# KiCad board panelized.kicad_pro.kicad_pcb
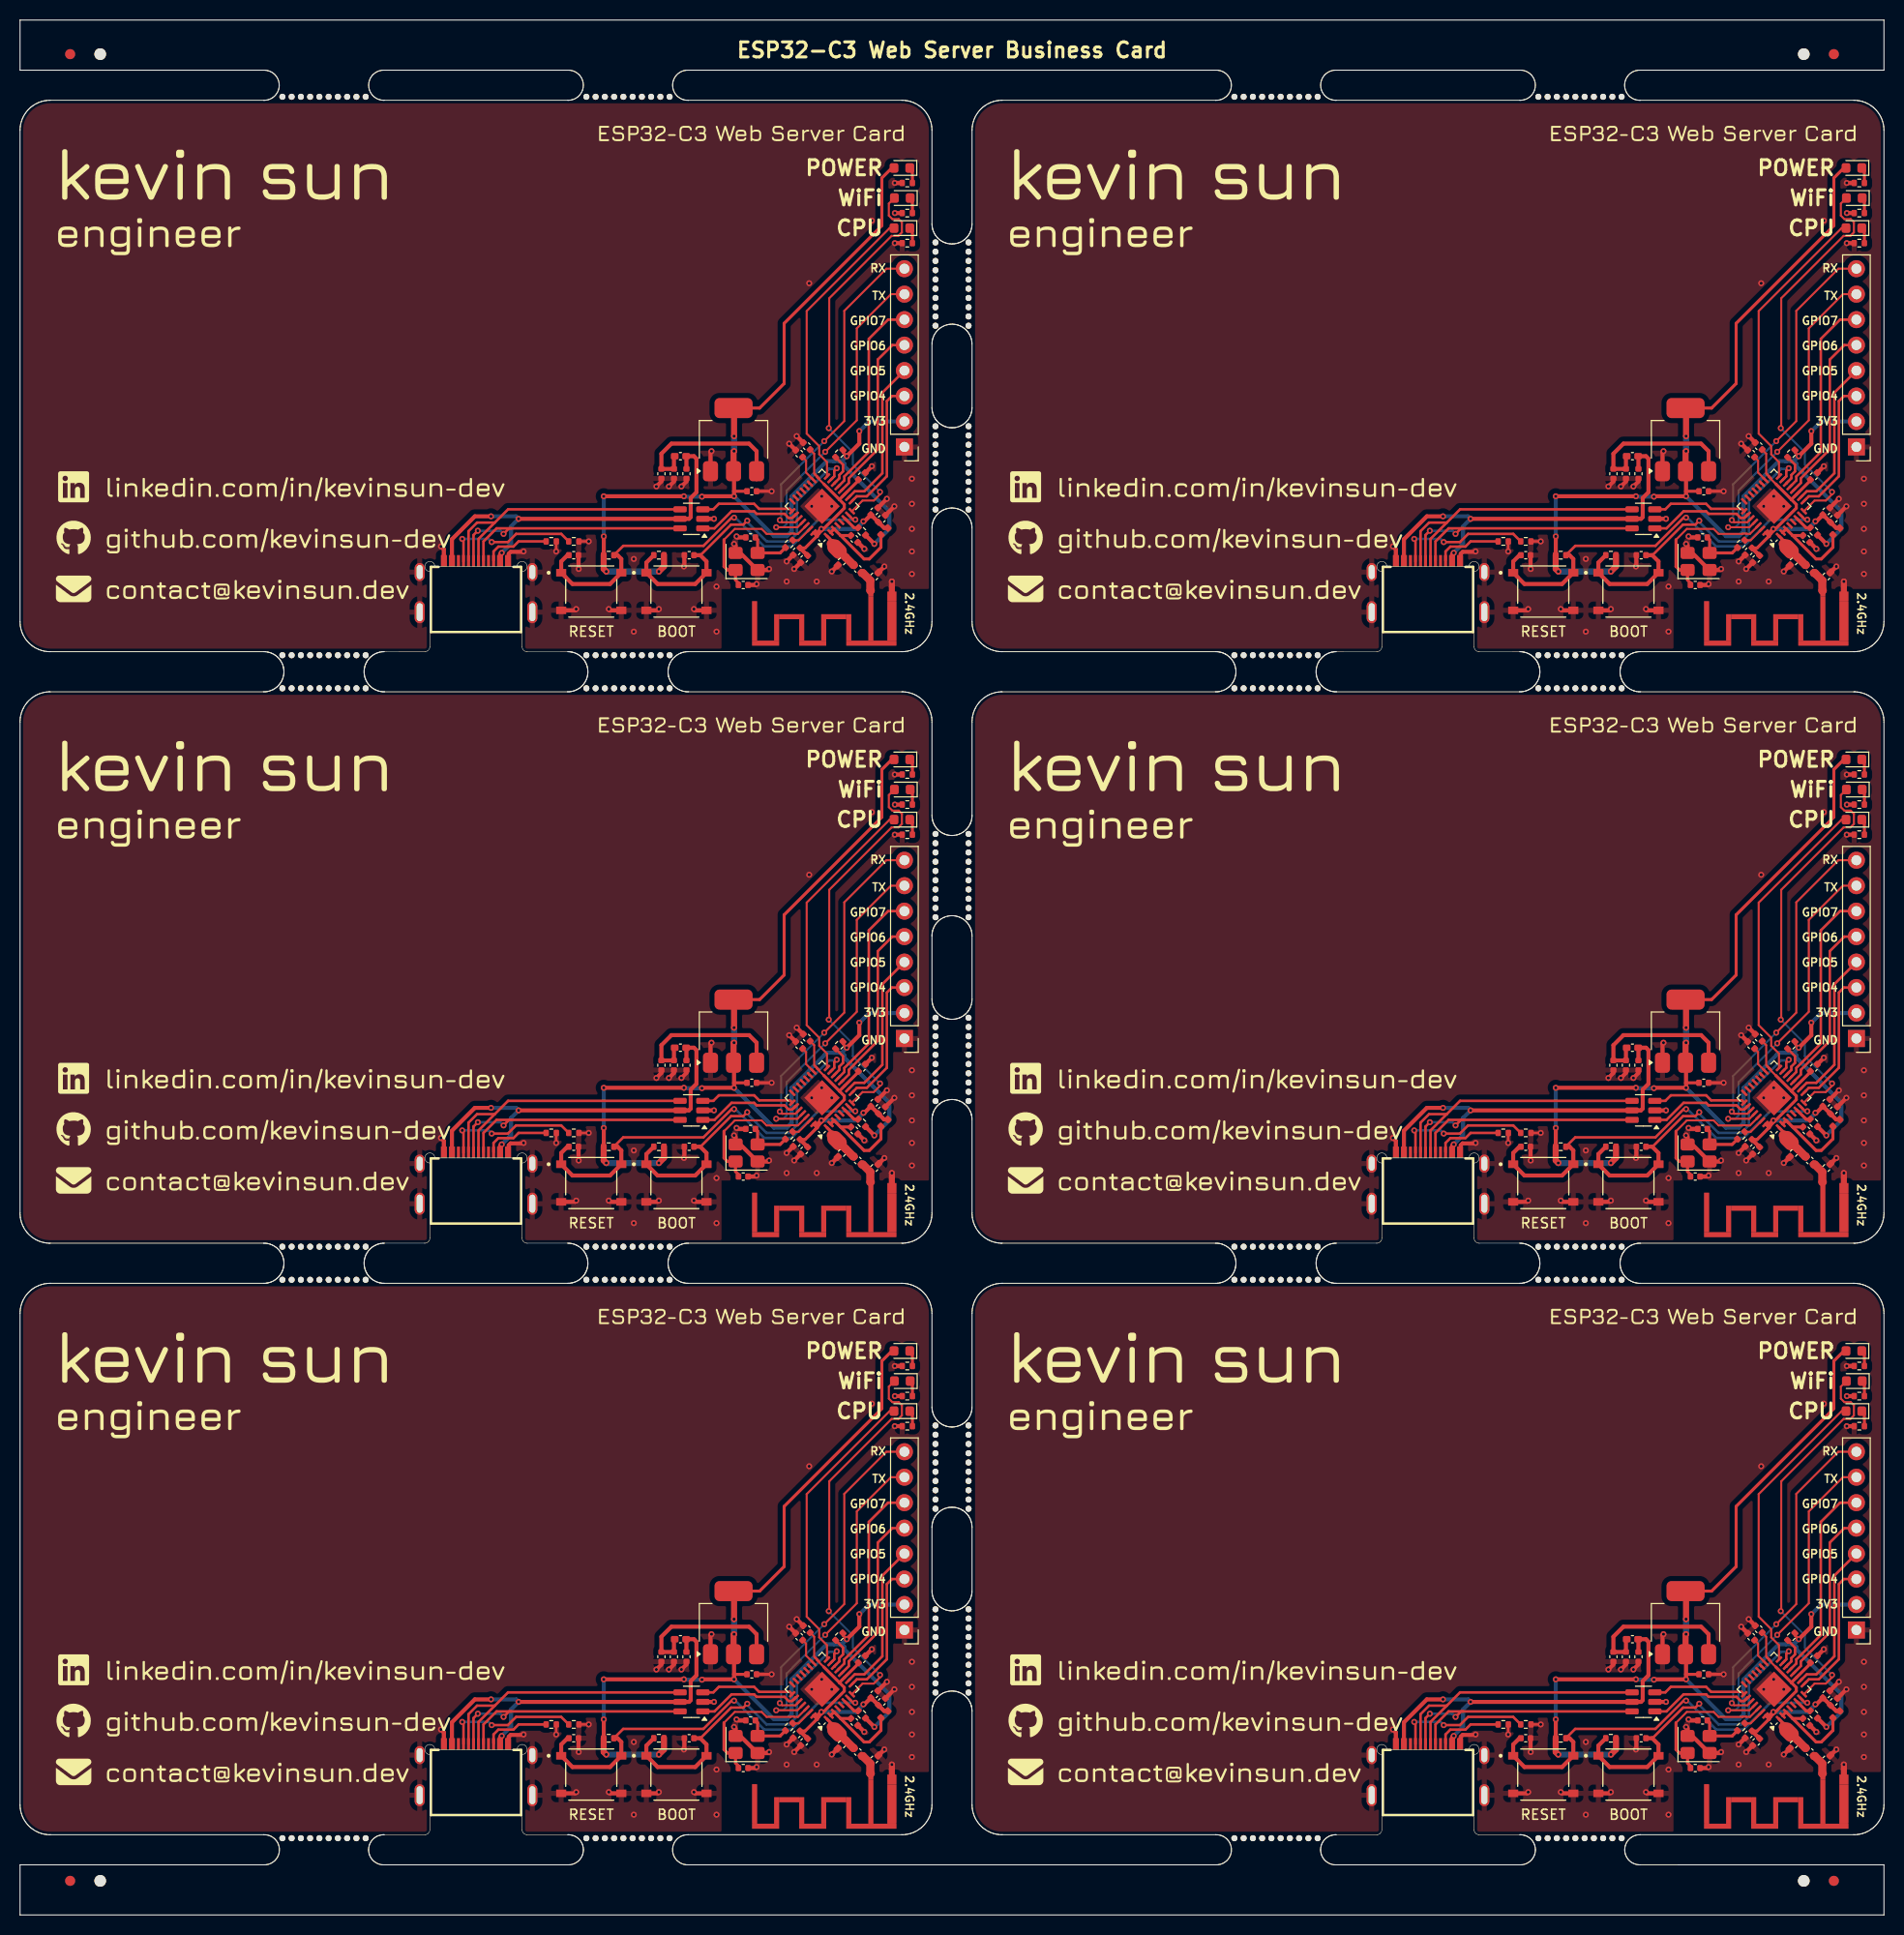
[diagram p0: board, top side]
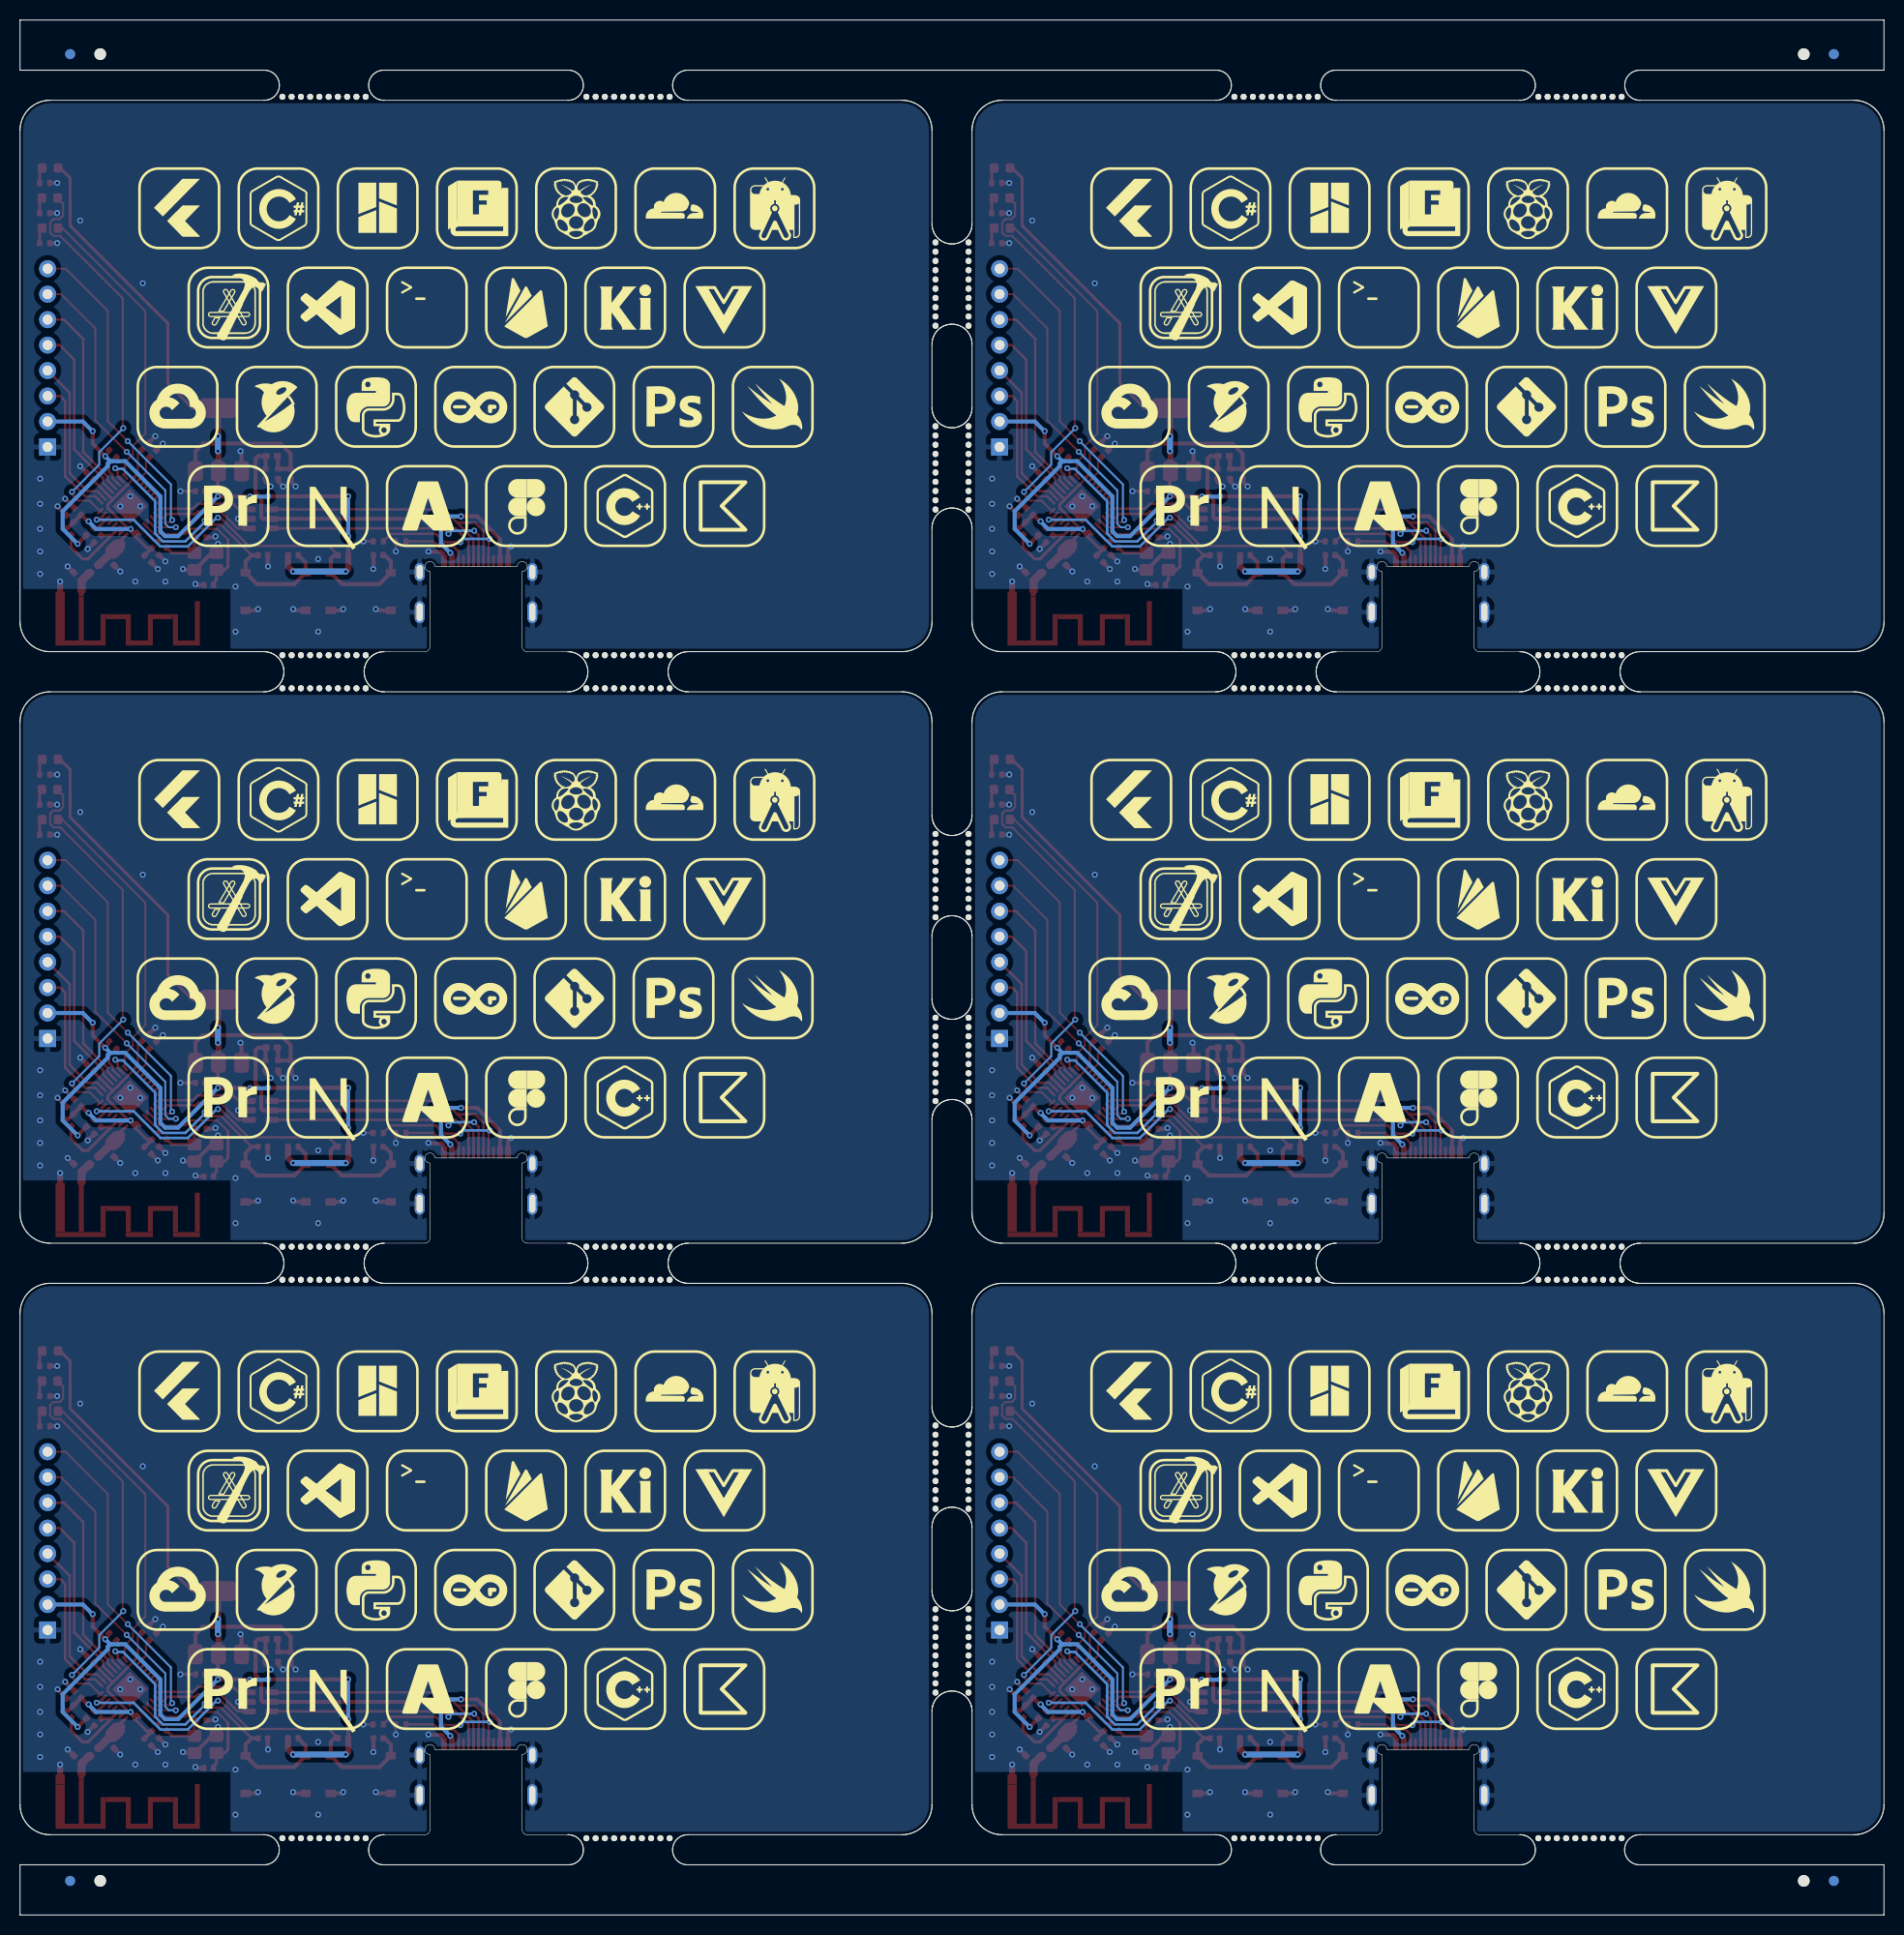
[diagram p1: board, bottom side, seen from below]

Outline 186 x 189 mm; copper layers: Top, Bottom. Coordinates in mm from the lower left corner of the outline.
Stack: Top 0.035mm / dielectric 0.8mm FR4 er 4.5 / Bottom 0.035mm

## Placement (name value [footprint] x y rotation side)
2.4GHz  PCB Antenna  [pcb-antenna]  87 72.75 180 top
2.4GHz#2  PCB Antenna  [pcb-antenna]  182 72.75 180 top
2.4GHz#3  PCB Antenna  [pcb-antenna]  182 131.75 180 top
2.4GHz#4  PCB Antenna  [pcb-antenna]  87 131.75 180 top
2.4GHz#5  PCB Antenna  [pcb-antenna]  87 13.75 180 top
2.4GHz#6  PCB Antenna  [pcb-antenna]  182 13.75 180 top
BOOT  BOOT  [SW_TS-1187A-B-A-B]  65.5 132 0 top
BOOT#2  BOOT  [SW_TS-1187A-B-A-B]  65.5 14 0 top
BOOT#3  BOOT  [SW_TS-1187A-B-A-B]  65.5 73 0 top
BOOT#4  BOOT  [SW_TS-1187A-B-A-B]  160.5 132 0 top
BOOT#5  BOOT  [SW_TS-1187A-B-A-B]  160.5 73 0 top
BOOT#6  BOOT  [SW_TS-1187A-B-A-B]  160.5 14 0 top
C1  100nF  [C_0402_1005Metric]  83.25 137.25 315 top
C1#2  100nF  [C_0402_1005Metric]  178.25 137.25 315 top
C1#3  100nF  [C_0402_1005Metric]  83.25 19.25 315 top
C1#4  100nF  [C_0402_1005Metric]  83.25 78.25 315 top
C1#5  100nF  [C_0402_1005Metric]  178.25 78.25 315 top
C1#6  100nF  [C_0402_1005Metric]  178.25 19.25 315 top
C2  100nF  [C_0402_1005Metric]  181 80.25 45 top
C2#2  100nF  [C_0402_1005Metric]  181 21.25 45 top
C2#3  100nF  [C_0402_1005Metric]  181 139.25 45 top
C2#4  100nF  [C_0402_1005Metric]  86 21.25 45 top
C2#5  100nF  [C_0402_1005Metric]  86 139.25 45 top
C2#6  100nF  [C_0402_1005Metric]  86 80.25 45 top
C3  10uF  [C_0402_1005Metric]  180.25 81 45 top
C3#2  10uF  [C_0402_1005Metric]  180.25 140 45 top
C3#3  10uF  [C_0402_1005Metric]  85.25 22 45 top
C3#4  10uF  [C_0402_1005Metric]  85.25 140 45 top
C3#5  10uF  [C_0402_1005Metric]  85.25 81 45 top
C3#6  10uF  [C_0402_1005Metric]  180.25 22 45 top
C4  1uF  [C_0402_1005Metric]  172.75 86.75 135 top
C4#2  1uF  [C_0402_1005Metric]  172.75 145.75 135 top
C4#3  1uF  [C_0402_1005Metric]  172.75 27.75 135 top
C4#4  1uF  [C_0402_1005Metric]  77.75 27.75 135 top
C4#5  1uF  [C_0402_1005Metric]  77.75 86.75 135 top
C4#6  1uF  [C_0402_1005Metric]  77.75 145.75 135 top
C5  100nF  [C_0402_1005Metric]  84 25.5 45 top
C5#2  100nF  [C_0402_1005Metric]  179 143.5 45 top
C5#3  100nF  [C_0402_1005Metric]  179 25.5 45 top
C5#4  100nF  [C_0402_1005Metric]  84 84.5 45 top
C5#5  100nF  [C_0402_1005Metric]  179 84.5 45 top
C5#6  100nF  [C_0402_1005Metric]  84 143.5 45 top
C6  100nF  [C_0402_1005Metric]  78.5 28.5 135 top
C6#2  100nF  [C_0402_1005Metric]  173.5 28.5 135 top
C6#3  100nF  [C_0402_1005Metric]  78.5 87.5 135 top
C6#4  100nF  [C_0402_1005Metric]  78.5 146.5 135 top
C6#5  100nF  [C_0402_1005Metric]  173.5 146.5 135 top
C6#6  100nF  [C_0402_1005Metric]  173.5 87.5 135 top
C7  1uF  [C_0402_1005Metric]  77.5 136 225 top
C7#2  1uF  [C_0402_1005Metric]  77.5 18 225 top
C7#3  1uF  [C_0402_1005Metric]  172.5 136 225 top
C7#4  1uF  [C_0402_1005Metric]  172.5 18 225 top
C7#5  1uF  [C_0402_1005Metric]  77.5 77 225 top
C7#6  1uF  [C_0402_1005Metric]  172.5 77 225 top
C8  10nF  [C_0402_1005Metric]  78.25 17.25 225 top
C8#2  10nF  [C_0402_1005Metric]  173.25 135.25 225 top
C8#3  10nF  [C_0402_1005Metric]  78.25 76.25 225 top
C8#4  10nF  [C_0402_1005Metric]  173.25 76.25 225 top
C8#5  10nF  [C_0402_1005Metric]  173.25 17.25 225 top
C8#6  10nF  [C_0402_1005Metric]  78.25 135.25 225 top
C9  12p  [C_0402_1005Metric]  167.17 14.65 0 top
C9#2  12p  [C_0402_1005Metric]  167.17 73.65 0 top
C9#3  12p  [C_0402_1005Metric]  72.17 132.65 0 top
C9#4  12p  [C_0402_1005Metric]  72.17 73.65 0 top
C9#5  12p  [C_0402_1005Metric]  72.17 14.65 0 top
C9#6  12p  [C_0402_1005Metric]  167.17 132.65 0 top
C10  12p  [C_0402_1005Metric]  72.9 137.4 180 top
C10#2  12p  [C_0402_1005Metric]  167.9 78.4 180 top
C10#3  12p  [C_0402_1005Metric]  167.9 137.4 180 top
C10#4  12p  [C_0402_1005Metric]  72.9 19.4 180 top
C10#5  12p  [C_0402_1005Metric]  167.9 19.4 180 top
C10#6  12p  [C_0402_1005Metric]  72.9 78.4 180 top
C11  1.5pF  [C_0402_1005Metric_Pad0.74x0.62mm_HandSolder]  85.25 15.5 45 top
C11#2  1.5pF  [C_0402_1005Metric_Pad0.74x0.62mm_HandSolder]  180.25 15.5 45 top
C11#3  1.5pF  [C_0402_1005Metric_Pad0.74x0.62mm_HandSolder]  85.25 133.5 45 top
C11#4  1.5pF  [C_0402_1005Metric_Pad0.74x0.62mm_HandSolder]  85.25 74.5 45 top
C11#5  1.5pF  [C_0402_1005Metric_Pad0.74x0.62mm_HandSolder]  180.25 133.5 45 top
C11#6  1.5pF  [C_0402_1005Metric_Pad0.74x0.62mm_HandSolder]  180.25 74.5 45 top
C12  1.5pF  [C_0402_1005Metric_Pad0.74x0.62mm_HandSolder]  177 17 225 top
C12#2  1.5pF  [C_0402_1005Metric_Pad0.74x0.62mm_HandSolder]  177 76 225 top
C12#3  1.5pF  [C_0402_1005Metric_Pad0.74x0.62mm_HandSolder]  177 135 225 top
C12#4  1.5pF  [C_0402_1005Metric_Pad0.74x0.62mm_HandSolder]  82 135 225 top
C12#5  1.5pF  [C_0402_1005Metric_Pad0.74x0.62mm_HandSolder]  82 17 225 top
C12#6  1.5pF  [C_0402_1005Metric_Pad0.74x0.62mm_HandSolder]  82 76 225 top
C13  100nF  [C_0402_1005Metric]  66.5 84.75 270 top
C13#2  100nF  [C_0402_1005Metric]  161.5 25.75 270 top
C13#3  100nF  [C_0402_1005Metric]  66.5 143.75 270 top
C13#4  100nF  [C_0402_1005Metric]  161.5 143.75 270 top
C13#5  100nF  [C_0402_1005Metric]  66.5 25.75 270 top
C13#6  100nF  [C_0402_1005Metric]  161.5 84.75 270 top
C14  100nF  [C_0402_1005Metric]  160.25 143.75 270 top
C14#2  100nF  [C_0402_1005Metric]  160.25 25.75 270 top
C14#3  100nF  [C_0402_1005Metric]  160.25 84.75 270 top
C14#4  100nF  [C_0402_1005Metric]  65.25 143.75 270 top
C14#5  100nF  [C_0402_1005Metric]  65.25 25.75 270 top
C14#6  100nF  [C_0402_1005Metric]  65.25 84.75 270 top
C15  10uF  [C_0402_1005Metric]  159 84.75 270 top
C15#2  10uF  [C_0402_1005Metric]  64 84.75 270 top
C15#3  10uF  [C_0402_1005Metric]  64 143.75 270 top
C15#4  10uF  [C_0402_1005Metric]  159 143.75 270 top
C15#5  10uF  [C_0402_1005Metric]  159 25.75 270 top
C15#6  10uF  [C_0402_1005Metric]  64 25.75 270 top
C16  10uF  [C_0402_1005Metric]  73.02 142 0 top
C16#2  10uF  [C_0402_1005Metric]  73.02 83 0 top
C16#3  10uF  [C_0402_1005Metric]  73.02 24 0 top
C16#4  10uF  [C_0402_1005Metric]  168.02 142 0 top
C16#5  10uF  [C_0402_1005Metric]  168.02 24 0 top
C16#6  10uF  [C_0402_1005Metric]  168.02 83 0 top
C17  100nF  [C_0402_1005Metric]  55.25 17.63 0 top
C17#2  100nF  [C_0402_1005Metric]  55.25 76.63 0 top
C17#3  100nF  [C_0402_1005Metric]  150.25 17.63 0 top
C17#4  100nF  [C_0402_1005Metric]  150.25 76.63 0 top
C17#5  100nF  [C_0402_1005Metric]  150.25 135.63 0 top
C17#6  100nF  [C_0402_1005Metric]  55.25 135.63 0 top
C18  100nF  [C_0402_1005Metric]  66.77 17.63 180 top
C18#2  100nF  [C_0402_1005Metric]  161.77 135.63 180 top
C18#3  100nF  [C_0402_1005Metric]  66.77 76.63 180 top
C18#4  100nF  [C_0402_1005Metric]  161.77 17.63 180 top
C18#5  100nF  [C_0402_1005Metric]  66.77 135.63 180 top
C18#6  100nF  [C_0402_1005Metric]  161.77 76.63 180 top
D1  PWR  [LED_0603_1608Metric]  183 174.25 180 top
D1#2  PWR  [LED_0603_1608Metric]  88 174.25 180 top
D1#3  PWR  [LED_0603_1608Metric]  88 115.25 180 top
D1#4  PWR  [LED_0603_1608Metric]  183 56.25 180 top
D1#5  PWR  [LED_0603_1608Metric]  88 56.25 180 top
D1#6  PWR  [LED_0603_1608Metric]  183 115.25 180 top
D2  WiFi  [LED_0603_1608Metric]  88.04 171.25 180 top
D2#2  WiFi  [LED_0603_1608Metric]  183.04 53.25 180 top
D2#3  WiFi  [LED_0603_1608Metric]  88.04 53.25 180 top
D2#4  WiFi  [LED_0603_1608Metric]  88.04 112.25 180 top
D2#5  WiFi  [LED_0603_1608Metric]  183.04 112.25 180 top
D2#6  WiFi  [LED_0603_1608Metric]  183.04 171.25 180 top
D3  CPU  [LED_0603_1608Metric]  183 109.25 180 top
D3#2  CPU  [LED_0603_1608Metric]  88 50.25 180 top
D3#3  CPU  [LED_0603_1608Metric]  183 168.25 180 top
D3#4  CPU  [LED_0603_1608Metric]  88 109.25 180 top
D3#5  CPU  [LED_0603_1608Metric]  88 168.25 180 top
D3#6  CPU  [LED_0603_1608Metric]  183 50.25 180 top
J1  USB C  [USB-C-SMD_TYPE-C60230-511-SC16]  45.5 73.5 0 top
J1#2  USB C  [USB-C-SMD_TYPE-C60230-511-SC16]  45.5 14.5 0 top
J1#3  USB C  [USB-C-SMD_TYPE-C60230-511-SC16]  140.5 73.5 0 top
J1#4  USB C  [USB-C-SMD_TYPE-C60230-511-SC16]  45.5 132.5 0 top
J1#5  USB C  [USB-C-SMD_TYPE-C60230-511-SC16]  140.5 14.5 0 top
J1#6  USB C  [USB-C-SMD_TYPE-C60230-511-SC16]  140.5 132.5 0 top
J2  GPIO Breakout  [PinHeader_1x08_P2.54mm_Vertical]  183.25 146.42 180 top
J2#2  GPIO Breakout  [PinHeader_1x08_P2.54mm_Vertical]  88.25 146.42 180 top
J2#3  GPIO Breakout  [PinHeader_1x08_P2.54mm_Vertical]  88.25 28.42 180 top
J2#4  GPIO Breakout  [PinHeader_1x08_P2.54mm_Vertical]  183.25 87.42 180 top
J2#5  GPIO Breakout  [PinHeader_1x08_P2.54mm_Vertical]  88.25 87.42 180 top
J2#6  GPIO Breakout  [PinHeader_1x08_P2.54mm_Vertical]  183.25 28.42 180 top
KiKit_FID_B_1  -  [Fiducial]  5 185.6 180 bottom
KiKit_FID_B_2  -  [Fiducial]  181 185.6 180 bottom
KiKit_FID_B_3  -  [Fiducial]  5 3.4 180 bottom
KiKit_FID_B_4  -  [Fiducial]  181 3.4 180 bottom
KiKit_FID_T_1  -  [Fiducial]  5 185.6 0 top
KiKit_FID_T_2  -  [Fiducial]  181 185.6 0 top
KiKit_FID_T_3  -  [Fiducial]  5 3.4 0 top
KiKit_FID_T_4  -  [Fiducial]  181 3.4 0 top
KiKit_MB_1_3  -  [NPTH]  91.35 166.82 0 top
KiKit_MB_1_4  -  [NPTH]  91.35 165.9 0 top
KiKit_MB_1_5  -  [NPTH]  91.35 164.98 0 top
KiKit_MB_1_6  -  [NPTH]  91.35 164.05 0 top
KiKit_MB_1_7  -  [NPTH]  91.35 163.13 0 top
KiKit_MB_1_8  -  [NPTH]  91.35 162.21 0 top
KiKit_MB_1_9  -  [NPTH]  91.35 161.28 0 top
KiKit_MB_1_10  -  [NPTH]  91.35 160.36 0 top
KiKit_MB_1_11  -  [NPTH]  91.35 159.44 0 top
KiKit_MB_1_12  -  [NPTH]  91.35 158.51 0 top
KiKit_MB_2_3  -  [NPTH]  91.35 148.49 0 top
KiKit_MB_2_4  -  [NPTH]  91.35 147.57 0 top
KiKit_MB_2_5  -  [NPTH]  91.35 146.64 0 top
KiKit_MB_2_6  -  [NPTH]  91.35 145.72 0 top
KiKit_MB_2_7  -  [NPTH]  91.35 144.8 0 top
KiKit_MB_2_8  -  [NPTH]  91.35 143.87 0 top
KiKit_MB_2_9  -  [NPTH]  91.35 142.95 0 top
KiKit_MB_2_10  -  [NPTH]  91.35 142.03 0 top
KiKit_MB_2_11  -  [NPTH]  91.35 141.1 0 top
KiKit_MB_2_12  -  [NPTH]  91.35 140.18 0 top
KiKit_MB_3_3  -  [NPTH]  26.18 181.35 0 top
KiKit_MB_3_4  -  [NPTH]  27.1 181.35 0 top
KiKit_MB_3_5  -  [NPTH]  28.03 181.35 0 top
KiKit_MB_3_6  -  [NPTH]  28.95 181.35 0 top
KiKit_MB_3_7  -  [NPTH]  29.87 181.35 0 top
KiKit_MB_3_8  -  [NPTH]  30.79 181.35 0 top
KiKit_MB_3_9  -  [NPTH]  31.72 181.35 0 top
KiKit_MB_3_10  -  [NPTH]  32.64 181.35 0 top
KiKit_MB_3_11  -  [NPTH]  33.56 181.35 0 top
KiKit_MB_3_12  -  [NPTH]  34.49 181.35 0 top
KiKit_MB_4_3  -  [NPTH]  56.51 181.35 0 top
KiKit_MB_4_4  -  [NPTH]  57.44 181.35 0 top
KiKit_MB_4_5  -  [NPTH]  58.36 181.35 0 top
KiKit_MB_4_6  -  [NPTH]  59.28 181.35 0 top
KiKit_MB_4_7  -  [NPTH]  60.21 181.35 0 top
KiKit_MB_4_8  -  [NPTH]  61.13 181.35 0 top
KiKit_MB_4_9  -  [NPTH]  62.05 181.35 0 top
KiKit_MB_4_10  -  [NPTH]  62.97 181.35 0 top
KiKit_MB_4_11  -  [NPTH]  63.9 181.35 0 top
KiKit_MB_4_12  -  [NPTH]  64.82 181.35 0 top
KiKit_MB_5_3  -  [NPTH]  34.49 125.65 0 top
KiKit_MB_5_4  -  [NPTH]  33.56 125.65 0 top
KiKit_MB_5_5  -  [NPTH]  32.64 125.65 0 top
KiKit_MB_5_6  -  [NPTH]  31.72 125.65 0 top
KiKit_MB_5_7  -  [NPTH]  30.79 125.65 0 top
KiKit_MB_5_8  -  [NPTH]  29.87 125.65 0 top
KiKit_MB_5_9  -  [NPTH]  28.95 125.65 0 top
KiKit_MB_5_10  -  [NPTH]  28.03 125.65 0 top
KiKit_MB_5_11  -  [NPTH]  27.1 125.65 0 top
KiKit_MB_5_12  -  [NPTH]  26.18 125.65 0 top
KiKit_MB_6_3  -  [NPTH]  64.82 125.65 0 top
KiKit_MB_6_4  -  [NPTH]  63.9 125.65 0 top
KiKit_MB_6_5  -  [NPTH]  62.97 125.65 0 top
KiKit_MB_6_6  -  [NPTH]  62.05 125.65 0 top
KiKit_MB_6_7  -  [NPTH]  61.13 125.65 0 top
KiKit_MB_6_8  -  [NPTH]  60.21 125.65 0 top
KiKit_MB_6_9  -  [NPTH]  59.28 125.65 0 top
KiKit_MB_6_10  -  [NPTH]  58.36 125.65 0 top
KiKit_MB_6_11  -  [NPTH]  57.44 125.65 0 top
KiKit_MB_6_12  -  [NPTH]  56.51 125.65 0 top
KiKit_MB_7_3  -  [NPTH]  94.65 158.51 0 top
KiKit_MB_7_4  -  [NPTH]  94.65 159.44 0 top
KiKit_MB_7_5  -  [NPTH]  94.65 160.36 0 top
KiKit_MB_7_6  -  [NPTH]  94.65 161.28 0 top
KiKit_MB_7_7  -  [NPTH]  94.65 162.21 0 top
KiKit_MB_7_8  -  [NPTH]  94.65 163.13 0 top
KiKit_MB_7_9  -  [NPTH]  94.65 164.05 0 top
KiKit_MB_7_10  -  [NPTH]  94.65 164.98 0 top
KiKit_MB_7_11  -  [NPTH]  94.65 165.9 0 top
KiKit_MB_7_12  -  [NPTH]  94.65 166.82 0 top
KiKit_MB_8_3  -  [NPTH]  94.65 140.18 0 top
KiKit_MB_8_4  -  [NPTH]  94.65 141.1 0 top
KiKit_MB_8_5  -  [NPTH]  94.65 142.03 0 top
KiKit_MB_8_6  -  [NPTH]  94.65 142.95 0 top
KiKit_MB_8_7  -  [NPTH]  94.65 143.87 0 top
KiKit_MB_8_8  -  [NPTH]  94.65 144.8 0 top
KiKit_MB_8_9  -  [NPTH]  94.65 145.72 0 top
KiKit_MB_8_10  -  [NPTH]  94.65 146.64 0 top
KiKit_MB_8_11  -  [NPTH]  94.65 147.57 0 top
KiKit_MB_8_12  -  [NPTH]  94.65 148.49 0 top
KiKit_MB_9_3  -  [NPTH]  121.18 181.35 0 top
KiKit_MB_9_4  -  [NPTH]  122.1 181.35 0 top
KiKit_MB_9_5  -  [NPTH]  123.03 181.35 0 top
KiKit_MB_9_6  -  [NPTH]  123.95 181.35 0 top
KiKit_MB_9_7  -  [NPTH]  124.87 181.35 0 top
KiKit_MB_9_8  -  [NPTH]  125.79 181.35 0 top
KiKit_MB_9_9  -  [NPTH]  126.72 181.35 0 top
KiKit_MB_9_10  -  [NPTH]  127.64 181.35 0 top
KiKit_MB_9_11  -  [NPTH]  128.56 181.35 0 top
KiKit_MB_9_12  -  [NPTH]  129.49 181.35 0 top
KiKit_MB_10_3  -  [NPTH]  151.51 181.35 0 top
KiKit_MB_10_4  -  [NPTH]  152.44 181.35 0 top
KiKit_MB_10_5  -  [NPTH]  153.36 181.35 0 top
KiKit_MB_10_6  -  [NPTH]  154.28 181.35 0 top
KiKit_MB_10_7  -  [NPTH]  155.21 181.35 0 top
KiKit_MB_10_8  -  [NPTH]  156.13 181.35 0 top
KiKit_MB_10_9  -  [NPTH]  157.05 181.35 0 top
KiKit_MB_10_10  -  [NPTH]  157.97 181.35 0 top
KiKit_MB_10_11  -  [NPTH]  158.9 181.35 0 top
KiKit_MB_10_12  -  [NPTH]  159.82 181.35 0 top
KiKit_MB_11_3  -  [NPTH]  129.49 125.65 0 top
KiKit_MB_11_4  -  [NPTH]  128.56 125.65 0 top
KiKit_MB_11_5  -  [NPTH]  127.64 125.65 0 top
KiKit_MB_11_6  -  [NPTH]  126.72 125.65 0 top
KiKit_MB_11_7  -  [NPTH]  125.79 125.65 0 top
KiKit_MB_11_8  -  [NPTH]  124.87 125.65 0 top
KiKit_MB_11_9  -  [NPTH]  123.95 125.65 0 top
KiKit_MB_11_10  -  [NPTH]  123.03 125.65 0 top
KiKit_MB_11_11  -  [NPTH]  122.1 125.65 0 top
KiKit_MB_11_12  -  [NPTH]  121.18 125.65 0 top
KiKit_MB_12_3  -  [NPTH]  159.82 125.65 0 top
KiKit_MB_12_4  -  [NPTH]  158.9 125.65 0 top
KiKit_MB_12_5  -  [NPTH]  157.97 125.65 0 top
KiKit_MB_12_6  -  [NPTH]  157.05 125.65 0 top
KiKit_MB_12_7  -  [NPTH]  156.13 125.65 0 top
KiKit_MB_12_8  -  [NPTH]  155.21 125.65 0 top
KiKit_MB_12_9  -  [NPTH]  154.28 125.65 0 top
KiKit_MB_12_10  -  [NPTH]  153.36 125.65 0 top
KiKit_MB_12_11  -  [NPTH]  152.44 125.65 0 top
KiKit_MB_12_12  -  [NPTH]  151.51 125.65 0 top
KiKit_MB_13_3  -  [NPTH]  91.35 107.82 0 top
KiKit_MB_13_4  -  [NPTH]  91.35 106.9 0 top
KiKit_MB_13_5  -  [NPTH]  91.35 105.98 0 top
KiKit_MB_13_6  -  [NPTH]  91.35 105.05 0 top
KiKit_MB_13_7  -  [NPTH]  91.35 104.13 0 top
KiKit_MB_13_8  -  [NPTH]  91.35 103.21 0 top
KiKit_MB_13_9  -  [NPTH]  91.35 102.28 0 top
KiKit_MB_13_10  -  [NPTH]  91.35 101.36 0 top
KiKit_MB_13_11  -  [NPTH]  91.35 100.44 0 top
KiKit_MB_13_12  -  [NPTH]  91.35 99.51 0 top
KiKit_MB_14_3  -  [NPTH]  91.35 89.49 0 top
KiKit_MB_14_4  -  [NPTH]  91.35 88.57 0 top
KiKit_MB_14_5  -  [NPTH]  91.35 87.64 0 top
KiKit_MB_14_6  -  [NPTH]  91.35 86.72 0 top
KiKit_MB_14_7  -  [NPTH]  91.35 85.8 0 top
KiKit_MB_14_8  -  [NPTH]  91.35 84.87 0 top
KiKit_MB_14_9  -  [NPTH]  91.35 83.95 0 top
KiKit_MB_14_10  -  [NPTH]  91.35 83.03 0 top
KiKit_MB_14_11  -  [NPTH]  91.35 82.1 0 top
KiKit_MB_14_12  -  [NPTH]  91.35 81.18 0 top
KiKit_MB_15_3  -  [NPTH]  26.18 122.35 0 top
KiKit_MB_15_4  -  [NPTH]  27.1 122.35 0 top
KiKit_MB_15_5  -  [NPTH]  28.03 122.35 0 top
KiKit_MB_15_6  -  [NPTH]  28.95 122.35 0 top
KiKit_MB_15_7  -  [NPTH]  29.87 122.35 0 top
KiKit_MB_15_8  -  [NPTH]  30.79 122.35 0 top
KiKit_MB_15_9  -  [NPTH]  31.72 122.35 0 top
KiKit_MB_15_10  -  [NPTH]  32.64 122.35 0 top
KiKit_MB_15_11  -  [NPTH]  33.56 122.35 0 top
KiKit_MB_15_12  -  [NPTH]  34.49 122.35 0 top
KiKit_MB_16_3  -  [NPTH]  56.51 122.35 0 top
KiKit_MB_16_4  -  [NPTH]  57.44 122.35 0 top
KiKit_MB_16_5  -  [NPTH]  58.36 122.35 0 top
KiKit_MB_16_6  -  [NPTH]  59.28 122.35 0 top
KiKit_MB_16_7  -  [NPTH]  60.21 122.35 0 top
KiKit_MB_16_8  -  [NPTH]  61.13 122.35 0 top
KiKit_MB_16_9  -  [NPTH]  62.05 122.35 0 top
KiKit_MB_16_10  -  [NPTH]  62.97 122.35 0 top
KiKit_MB_16_11  -  [NPTH]  63.9 122.35 0 top
KiKit_MB_16_12  -  [NPTH]  64.82 122.35 0 top
KiKit_MB_17_3  -  [NPTH]  34.49 66.65 0 top
KiKit_MB_17_4  -  [NPTH]  33.56 66.65 0 top
KiKit_MB_17_5  -  [NPTH]  32.64 66.65 0 top
KiKit_MB_17_6  -  [NPTH]  31.72 66.65 0 top
KiKit_MB_17_7  -  [NPTH]  30.79 66.65 0 top
KiKit_MB_17_8  -  [NPTH]  29.87 66.65 0 top
KiKit_MB_17_9  -  [NPTH]  28.95 66.65 0 top
KiKit_MB_17_10  -  [NPTH]  28.03 66.65 0 top
KiKit_MB_17_11  -  [NPTH]  27.1 66.65 0 top
KiKit_MB_17_12  -  [NPTH]  26.18 66.65 0 top
KiKit_MB_18_3  -  [NPTH]  64.82 66.65 0 top
KiKit_MB_18_4  -  [NPTH]  63.9 66.65 0 top
KiKit_MB_18_5  -  [NPTH]  62.97 66.65 0 top
KiKit_MB_18_6  -  [NPTH]  62.05 66.65 0 top
KiKit_MB_18_7  -  [NPTH]  61.13 66.65 0 top
KiKit_MB_18_8  -  [NPTH]  60.21 66.65 0 top
KiKit_MB_18_9  -  [NPTH]  59.28 66.65 0 top
KiKit_MB_18_10  -  [NPTH]  58.36 66.65 0 top
KiKit_MB_18_11  -  [NPTH]  57.44 66.65 0 top
KiKit_MB_18_12  -  [NPTH]  56.51 66.65 0 top
KiKit_MB_19_3  -  [NPTH]  94.65 99.51 0 top
KiKit_MB_19_4  -  [NPTH]  94.65 100.44 0 top
KiKit_MB_19_5  -  [NPTH]  94.65 101.36 0 top
KiKit_MB_19_6  -  [NPTH]  94.65 102.28 0 top
KiKit_MB_19_7  -  [NPTH]  94.65 103.21 0 top
KiKit_MB_19_8  -  [NPTH]  94.65 104.13 0 top
KiKit_MB_19_9  -  [NPTH]  94.65 105.05 0 top
KiKit_MB_19_10  -  [NPTH]  94.65 105.98 0 top
KiKit_MB_19_11  -  [NPTH]  94.65 106.9 0 top
KiKit_MB_19_12  -  [NPTH]  94.65 107.82 0 top
KiKit_MB_20_3  -  [NPTH]  94.65 81.18 0 top
KiKit_MB_20_4  -  [NPTH]  94.65 82.1 0 top
KiKit_MB_20_5  -  [NPTH]  94.65 83.03 0 top
KiKit_MB_20_6  -  [NPTH]  94.65 83.95 0 top
KiKit_MB_20_7  -  [NPTH]  94.65 84.87 0 top
KiKit_MB_20_8  -  [NPTH]  94.65 85.8 0 top
KiKit_MB_20_9  -  [NPTH]  94.65 86.72 0 top
KiKit_MB_20_10  -  [NPTH]  94.65 87.64 0 top
KiKit_MB_20_11  -  [NPTH]  94.65 88.57 0 top
KiKit_MB_20_12  -  [NPTH]  94.65 89.49 0 top
KiKit_MB_21_3  -  [NPTH]  121.18 122.35 0 top
KiKit_MB_21_4  -  [NPTH]  122.1 122.35 0 top
KiKit_MB_21_5  -  [NPTH]  123.03 122.35 0 top
KiKit_MB_21_6  -  [NPTH]  123.95 122.35 0 top
KiKit_MB_21_7  -  [NPTH]  124.87 122.35 0 top
KiKit_MB_21_8  -  [NPTH]  125.79 122.35 0 top
KiKit_MB_21_9  -  [NPTH]  126.72 122.35 0 top
KiKit_MB_21_10  -  [NPTH]  127.64 122.35 0 top
KiKit_MB_21_11  -  [NPTH]  128.56 122.35 0 top
KiKit_MB_21_12  -  [NPTH]  129.49 122.35 0 top
KiKit_MB_22_3  -  [NPTH]  151.51 122.35 0 top
KiKit_MB_22_4  -  [NPTH]  152.44 122.35 0 top
KiKit_MB_22_5  -  [NPTH]  153.36 122.35 0 top
KiKit_MB_22_6  -  [NPTH]  154.28 122.35 0 top
KiKit_MB_22_7  -  [NPTH]  155.21 122.35 0 top